# KiCad board MSX OPL4 Wozblaster.kicad_pcb
title: MSX OPL4 Wozblaster Reloaded; date: 2024-10-13; rev: 5.0; company: The Retro Hacker; note: Reloaded by Cristiano Goncalves; note: Original Design by Gustavo Iriarte; note: Wozblaster Reloaded v4
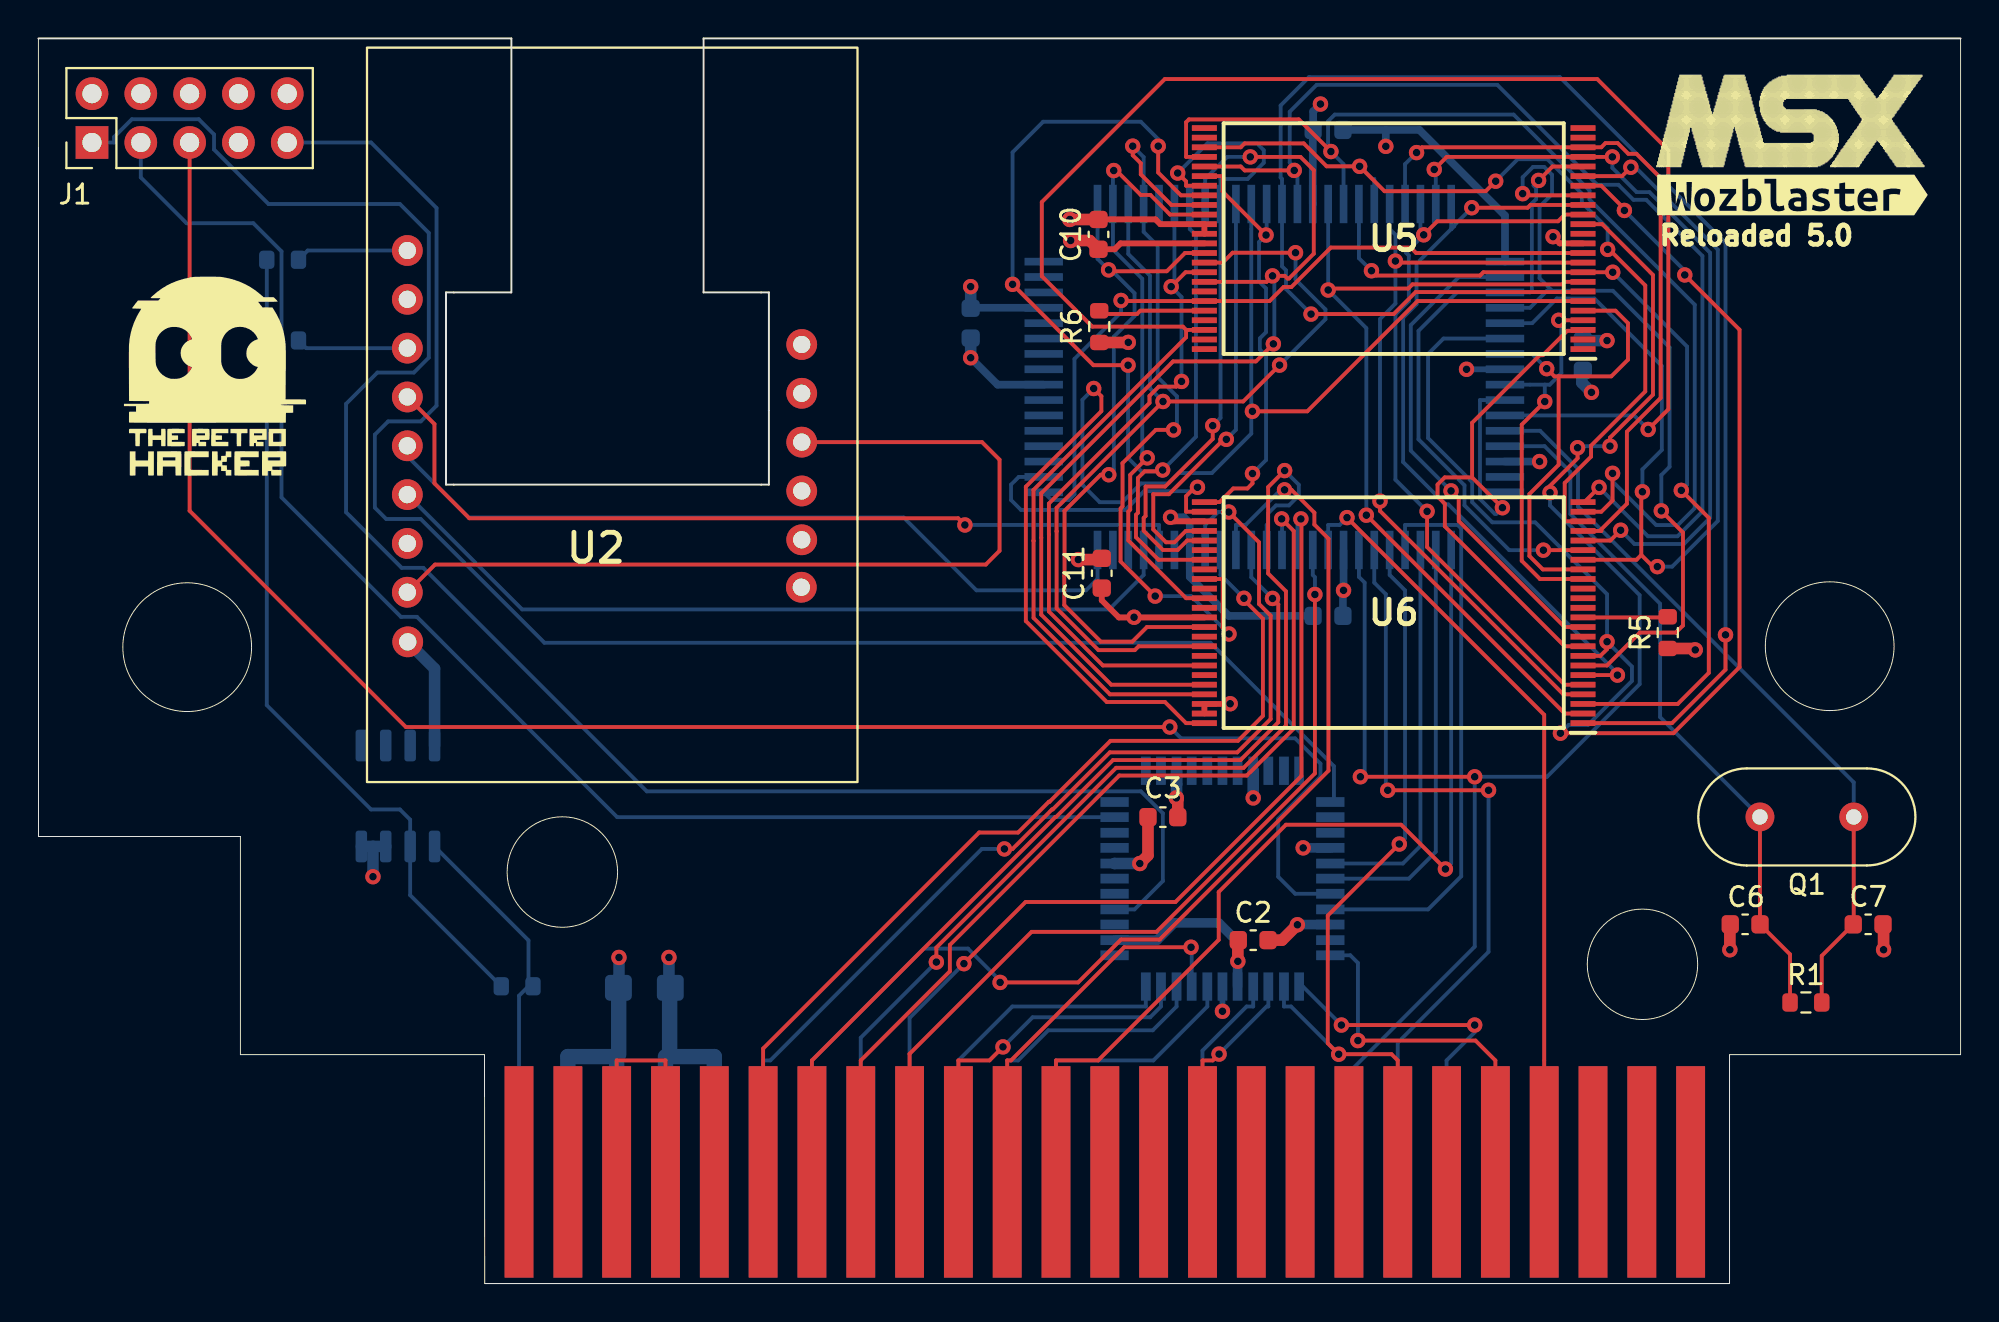
[diagram p0: board, top side]
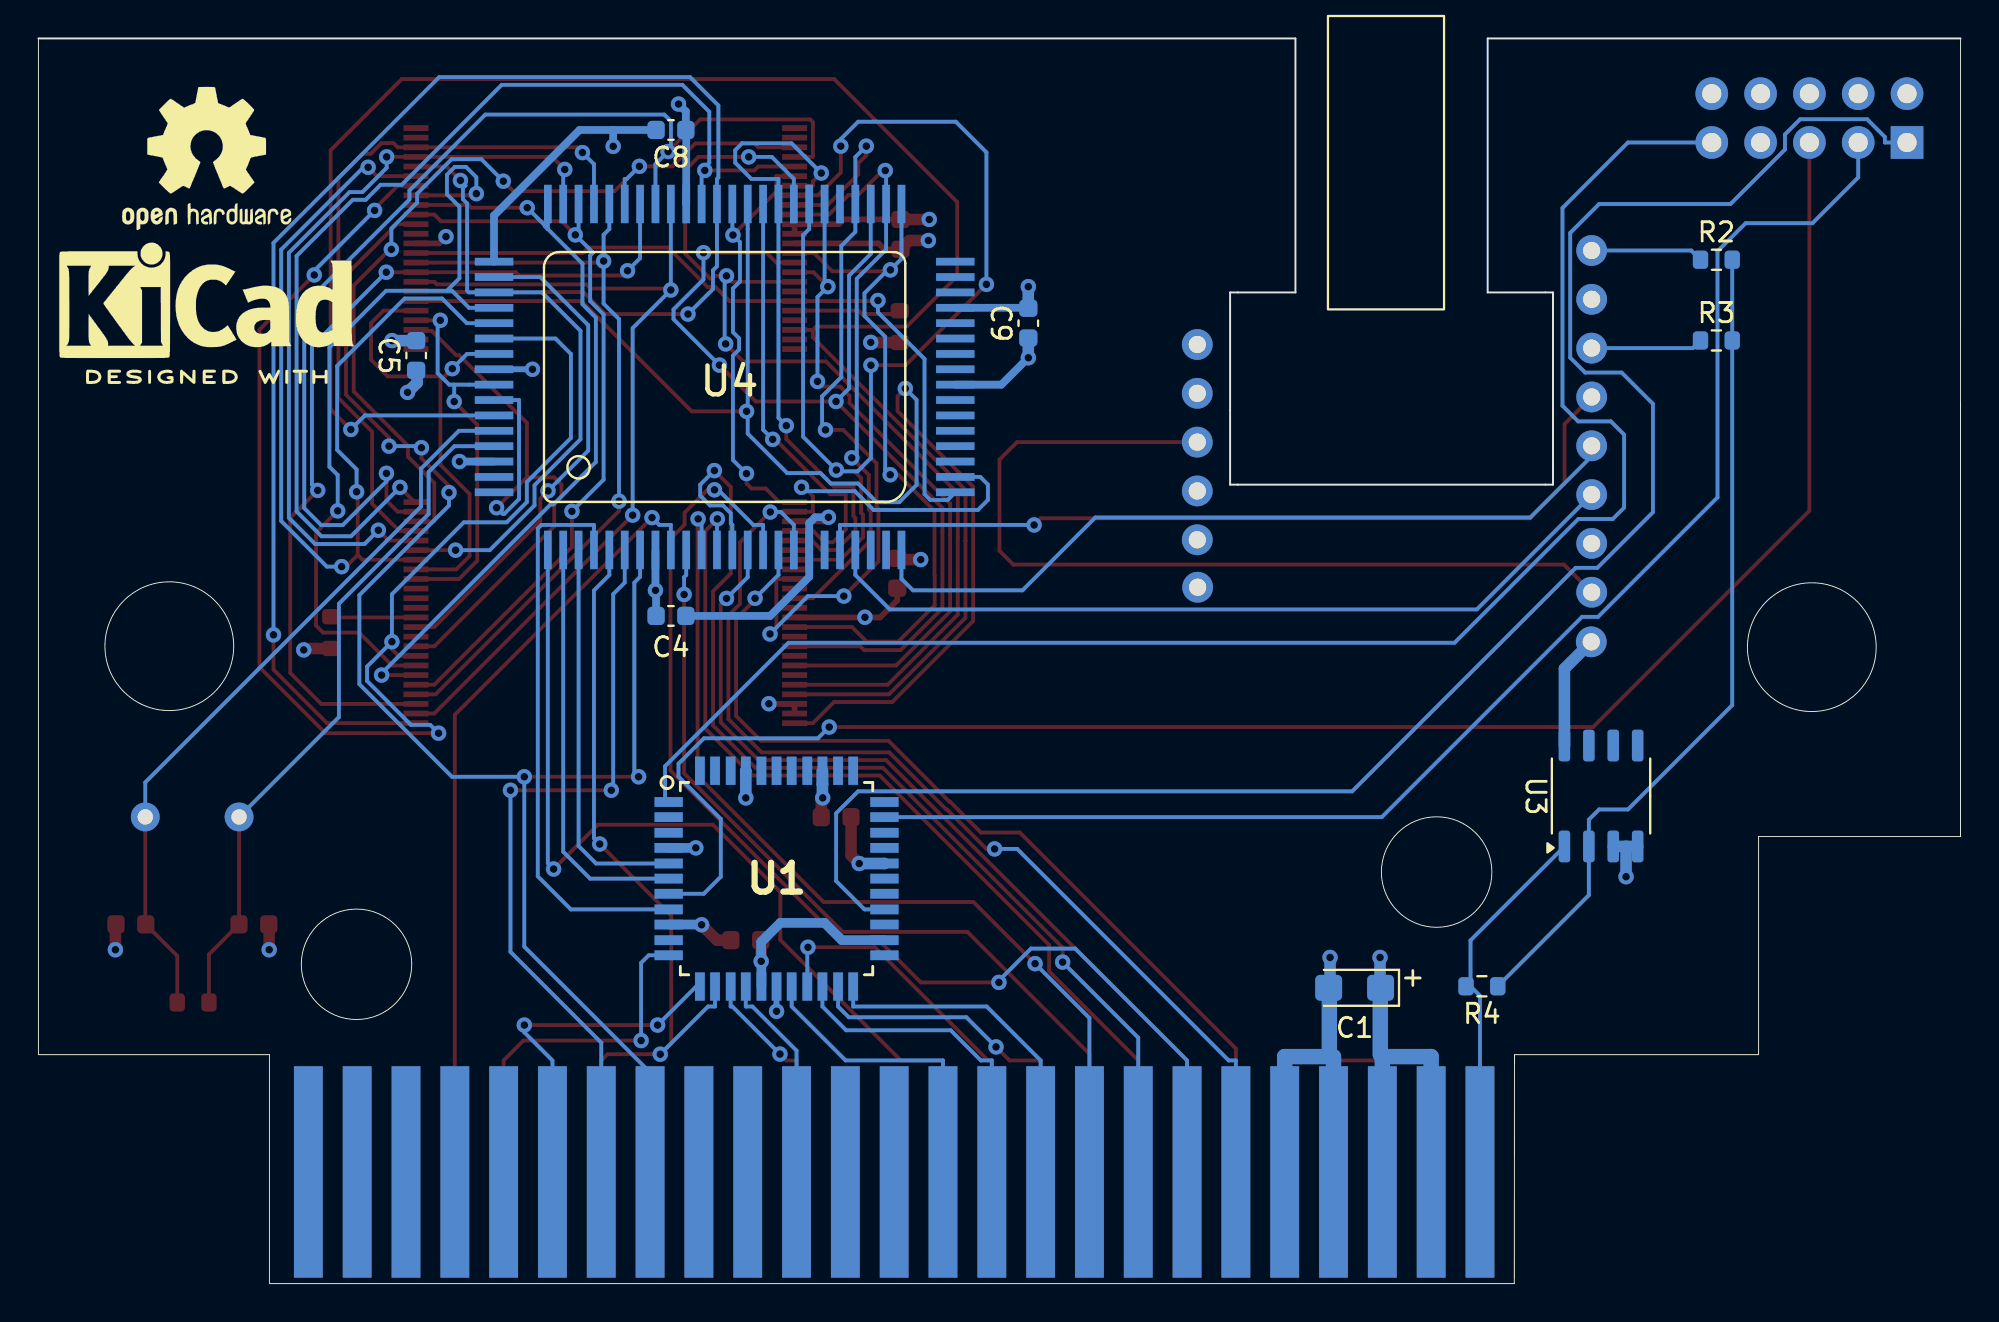
[diagram p1: board, bottom side, seen from below]

Outline 100.01 x 64.78 mm; copper layers: Top, In1.Cu (plane), In2.Cu (plane), Bottom. Coordinates in mm from the lower left corner of the outline.
Outline path: circle c7.74,33.11 r3.35 ; circle c27.26,21.41 r2.87 ; circle c83.46,16.61 r2.87 ; circle c93.2,33.16 r3.35 ; 0,64.78 24.61,64.78 24.61,51.57 21.21,51.57 21.21,41.57 38.01,41.57 38.01,51.57 34.61,51.57 34.61,64.78 100.01,64.78 100.01,11.91 87.99,11.91 87.99,0 23.22,0 23.21,11.91 10.51,11.91 10.51,23.26 0,23.26 0,64.78
Stack: Top 0.035mm / dielectric 0.1mm FR4 er 4.5 / In1.Cu 0.035mm / dielectric 1.24mm FR4 er 4.5 / In2.Cu 0.035mm / dielectric 0.1mm FR4 er 4.5 / Bottom 0.035mm

## Placement (name value [footprint] x y rotation side)
BUS1  MSX_SLOT_EDGE-CON  [msx_cartridge]  55.49 5.68 0 top
C1  10uF/10v  [CP_EIA-3216-18_Kemet-A]  31.53 15.39 0 bottom
C2  0.1uF  [C_0603_1608Metric]  63.21 17.87 0 top
C3  0.1uF  [C_0603_1608Metric]  58.51 24.27 180 top
C4  0.1uF  [C_0603_1608Metric]  67.1 34.74 180 bottom
C5  0.1uF  [C_0603_1608Metric]  80.36 48.28 90 bottom
C6  12pF  [C_0603_1608Metric]  88.8 18.69 180 top
C7  12pF  [C_0603_1608Metric]  95.2 18.69 0 top
C8  0.1uF  [C_0603_1608Metric]  67.1 60.02 0 bottom
C9  0.1uF  [C_0603_1608Metric]  48.51 49.97 90 bottom
C10  0.1uF  [C_0603_1608Metric]  55.16 54.59 90 top
C11  0.1uF  [C_0603_1608Metric]  55.33 36.96 90 top
G***  LOGO  [TRH_NEW]  8.91 46.87 0 top
J1  AVR-JTAG-10  [PinHeader_2x05_P2.54mm_Vertical]  2.79 59.37 90 top
kibuzzard-670C230B  G***  [kibuzzard-670C230B]  91.26 56.64 0 top
LOGO_MSX  -  [LOGO_MSX]  83.13 63.79 0 top
Q1  33.8688  [Crystal_HC49-U_Vertical]  94.45 24.28 180 top
R1  3.3K  [R_0603_1608Metric]  91.96 14.62 0 top
R2  1K  [R_0603_1608Metric]  12.71 53.27 180 bottom
R3  1K  [R_0603_1608Metric]  12.71 49.07 180 bottom
R4  1K  [R_0603_1608Metric]  24.91 15.47 0 bottom
R5  1K  [R_0603_1608Metric]  84.78 33.87 270 top
R6  1K  [R_0603_1608Metric]  55.2 49.79 90 top
REF**  -  [OSHW-Logo2_9.8x8mm_SilkScreen]  91.26 58.54 180 bottom
REF**#2  -  [KiCad-Logo2_6mm_SilkScreen]  91.26 51.18 180 bottom
U1  EPM7064STC44-7  [QFP80P1200X1200X120-44N]  61.61 21.07 180 bottom
U2  -  [UDA1334MOD]  29.91 45.06 90 bottom
U3  LM358  [SOP-8_3.9x4.9mm_P1.27mm]  18.71 25.37 90 bottom
U4  YMF278B-F  [80-QFP]  64.41 47.47 180 bottom
U5  AM29F016B-120EC  [SOP50P2000X120-48N]  70.52 54.37 180 top
U6  CY62167ELL  [SOP50P2000X120-48N]  70.52 34.91 180 top

## Library data of the parts
BUS1 = -: Datasheet: https://www.msx.org/wiki/MSX_Cartridge_slot#Pinout_of_Standard_MSX_Cartridge_slot; MPN: n/a; Manufacturer: n/a
J1 = -: ki_fp_filters: IDC?Header*2x05* Pin?Header*2x05*
R1-R6 = -: ki_fp_filters: R_*
U1 = -: MF: Altera; Description_1: IC CPLD 64MC 7.5NS 44TQFP; PACKAGE: QFP-44; Price: None; Package: TQFP-44 Intel; OC_FARNELL: -; SnapEDA_Link: https://www.snapeda.com/parts/EPM7064STC44-7/Altera/view-part/?ref=snap; SUPPLIER: Altera; OC_NEWARK: 51R9648; Availability: In Stock; Check_prices: https://www.snapeda.com/parts/EPM7064STC44-7/Altera/view-part/?ref=eda
U3 = -: Datasheet: http://www.ti.com/lit/ds/symlink/lm2904-n.pdf; Description: Low-Power, Dual Operational Amplifiers, DIP-8/SOIC-8/TO-99-8; ki_fp_filters: SOIC*3.9x4.9mm*P1.27mm* DIP*W7.62mm* TO*99* OnSemi*Micro8* TSSOP*3x3mm*P0.65mm* TSSOP*4.4x3mm*P0.65mm* MSOP*3x3mm*P0.65mm* SSOP*3.9x4.9mm*P0.635mm* LFCSP*2x2mm*P0.5mm* *SIP* SOIC*5.3x6.2mm*P1.27mm*
U5 = -: Datasheet: http://media.digikey.com/pdf/Data%20Sheets/AMD/AM29F016B.pdf; Description: Flash Memory IC 16 MEGABIT CMOS FLASH EPROM; Height: 1.2; Manufacturer_Name: AMD
U6 = -: Sim.Device: I; Sim.Params: dc=""; Sim.Pins: 1=+ 2=-; Sim.Type: DC

## Footprints (pads in the part's own frame, mm; a bottom-side part is the same pattern mirrored in y, then rotated)
80-QFP
  rect 0.4x2 smd: 1(-9.1,-9.3) 2(-8.3,-9.3) 3(-7.5,-9.3) 4(-6.7,-9.3) 5(-5.9,-9.3) 6(-5.1,-9.3) 7(-4.3,-9.3) 8(-3.5,-9.3) 9(-2.7,-9.3) 10(-1.9,-9.3) 11(-1.1,-9.3) 12(-0.3,-9.3) 13(0.5,-9.3) 14(1.3,-9.3) 15(2.1,-9.3) 16(2.9,-9.3) 17(3.7,-9.3) 18(4.5,-9.3) 19(5.3,-9.3) 20(6.1,-9.3) 21(6.9,-9.3) 22(7.7,-9.3) 23(8.5,-9.3) 24(9.3,-9.3) 41(9.3,8.7) 42(8.5,8.7) 43(7.7,8.7) 44(6.9,8.7) 45(6.1,8.7) 46(5.3,8.7) 47(4.5,8.7) 48(3.7,8.7) 49(2.9,8.7) 50(2.1,8.7) 51(1.3,8.7) 52(0.5,8.7) 53(-0.3,8.7) 54(-1.1,8.7) 55(-1.9,8.7) 56(-2.7,8.7) 57(-3.5,8.7) 58(-4.3,8.7) 59(-5.1,8.7) 60(-5.9,8.7) 61(-6.7,8.7) 62(-7.5,8.7) 63(-8.3,8.7) 64(-9.1,8.7)
  rect 2x0.4 smd: 25(12.1,-6.3) 26(12.1,-5.5) 27(12.1,-4.7) 28(12.1,-3.9) 29(12.1,-3.1) 30(12.1,-2.3) 31(12.1,-1.5) 32(12.1,-0.7) 33(12.1,0.1) 34(12.1,0.9) 35(12.1,1.7) 36(12.1,2.5) 37(12.1,3.3) 38(12.1,4.1) 39(12.1,4.9) 40(12.1,5.7) 65(-11.9,5.7) 66(-11.9,4.9) 67(-11.9,4.1) 68(-11.9,3.3) 69(-11.9,2.5) 70(-11.9,1.7) 71(-11.9,0.9) 72(-11.9,0.1) 73(-11.9,-0.7) 74(-11.9,-1.5) 75(-11.9,-2.3) 76(-11.9,-3.1) 77(-11.9,-3.9) 78(-11.9,-4.7) 79(-11.9,-5.5) 80(-11.9,-6.3)
C_0603_1608Metric
  rrect 0.9x0.95 smd: 1(-0.775,0) 2(0.775,0)
CP_EIA-3216-18_Kemet-A
  rrect 1.4x1.35 smd: 1(-1.35,0) 2(1.35,0)
Crystal_HC49-U_Vertical
  round 1.5 hole 0.8: 1(0,0) 2(4.88,0)
msx_cartridge
  rect 1.5x11 smd far side: 1(30.48,0.127) 3(27.94,0.127) 5(25.4,0.127) 7(22.86,0.127) 9(20.32,0.127) 11(17.78,0.127) 13(15.24,0.127) 15(12.7,0.127) 17(10.16,0.127) 19(7.62,0.127) 21(5.08,0.127) 23(2.54,0.127) 25(0,0.127) 27(-2.54,0.127) 29(-5.08,0.127) 31(-7.62,0.127) 33(-10.16,0.127) 35(-12.7,0.127) 37(-15.24,0.127) 39(-17.78,0.127) 41(-20.32,0.127) 43(-22.86,0.127) 45(-25.4,0.127) 47(-27.94,0.127) 49(-30.48,0.127)
  rect 1.5x11 smd: 2(30.48,0.127) 4(27.94,0.127) 6(25.4,0.127) 8(22.86,0.127) 10(20.32,0.127) 12(17.78,0.127) 14(15.24,0.127) 16(12.7,0.127) 18(10.16,0.127) 20(7.62,0.127) 22(5.08,0.127) 24(2.54,0.127) 26(0,0.127) 28(-2.54,0.127) 30(-5.08,0.127) 32(-7.62,0.127) 34(-10.16,0.127) 36(-12.7,0.127) 38(-15.24,0.127) 40(-17.78,0.127) 42(-20.32,0.127) 44(-22.86,0.127) 46(-25.4,0.127) 48(-27.94,0.127) 50(-30.48,0.127)
PinHeader_2x05_P2.54mm_Vertical
  rect 1.7x1.7 hole 1: 1(0,0)
  oval 1.7x1.7 hole 1: 2(2.54,0) 3(0,-2.54) 4(2.54,-2.54) 5(0,-5.08) 6(2.54,-5.08) 7(0,-7.62) 8(2.54,-7.62) 9(0,-10.16) 10(2.54,-10.16)
QFP80P1200X1200X120-44N
  rect 1.473x0.508 smd: 1(-5.613,3.988) 2(-5.613,3.2) 3(-5.613,2.388) 4(-5.613,1.6) 5(-5.613,0.787) 6(-5.613,0) 7(-5.613,-0.787) 8(-5.613,-1.6) 9(-5.613,-2.388) 10(-5.613,-3.2) 11(-5.613,-3.988) 23(5.613,-3.988) 24(5.613,-3.2) 25(5.613,-2.388) 26(5.613,-1.6) 27(5.613,-0.787) 28(5.613,0) 29(5.613,0.787) 30(5.613,1.6) 31(5.613,2.388) 32(5.613,3.2) 33(5.613,3.988)
  rect 0.508x1.473 smd: 12(-3.988,-5.613) 13(-3.2,-5.613) 14(-2.388,-5.613) 15(-1.6,-5.613) 16(-0.787,-5.613) 17(0,-5.613) 18(0.787,-5.613) 19(1.6,-5.613) 20(2.388,-5.613) 21(3.2,-5.613) 22(3.988,-5.613) 34(3.988,5.613) 35(3.2,5.613) 36(2.388,5.613) 37(1.6,5.613) 38(0.787,5.613) 39(0,5.613) 40(-0.787,5.613) 41(-1.6,5.613) 42(-2.388,5.613) 43(-3.2,5.613) 44(-3.988,5.613)
R_0603_1608Metric
  rrect 0.8x0.95 smd: 1(-0.825,0) 2(0.825,0)
SOP50P2000X120-48N
  rect 1.3x0.3 smd: 1(-9.85,5.75) 2(-9.85,5.25) 3(-9.85,4.75) 4(-9.85,4.25) 5(-9.85,3.75) 6(-9.85,3.25) 7(-9.85,2.75) 8(-9.85,2.25) 9(-9.85,1.75) 10(-9.85,1.25) 11(-9.85,0.75) 12(-9.85,0.25) 13(-9.85,-0.25) 14(-9.85,-0.75) 15(-9.85,-1.25) 16(-9.85,-1.75) 17(-9.85,-2.25) 18(-9.85,-2.75) 19(-9.85,-3.25) 20(-9.85,-3.75) 21(-9.85,-4.25) 22(-9.85,-4.75) 23(-9.85,-5.25) 24(-9.85,-5.75) 25(9.85,-5.75) 26(9.85,-5.25) 27(9.85,-4.75) 28(9.85,-4.25) 29(9.85,-3.75) 30(9.85,-3.25) 31(9.85,-2.75) 32(9.85,-2.25) 33(9.85,-1.75) 34(9.85,-1.25) 35(9.85,-0.75) 36(9.85,-0.25) 37(9.85,0.25) 38(9.85,0.75) 39(9.85,1.25) 40(9.85,1.75) 41(9.85,2.25) 42(9.85,2.75) 43(9.85,3.25) 44(9.85,3.75) 45(9.85,4.25) 46(9.85,4.75) 47(9.85,5.25) 48(9.85,5.75)
SOP-8_3.9x4.9mm_P1.27mm
  rrect 1.65x0.6 smd: 1(-2.625,1.905) 2(-2.625,0.635) 3(-2.625,-0.635) 4(-2.625,-1.905) 5(2.625,-1.905) 6(2.625,-0.635) 7(2.625,0.635) 8(2.625,1.905)
UDA1334MOD
  round 1.6 hole 0.9: 1(-11.67,-10.7) 2(-9.09,-10.72) 3(-6.55,-10.72) 4(-4.01,-10.72) 5(-1.47,-10.72) 6(1.07,-10.72) 7(3.61,-10.72) 8(6.15,-10.72) 9(8.69,-10.72) 10(-8.83,9.78) 11(-6.36,9.8) 12(-3.82,9.8) 13(-1.28,9.8) 14(1.26,9.8) 15(3.8,9.8)

## Nets
+5V: BUS1.45 BUS1.47 C1.1 C2.2 C3.2 C4.1 C5.1 C8.1 C9.1 C10.1 C11.1 J1.4 R5.2 R6.1 U1.9 U1.17 U1.29 U1.41 U2.1 U3.8 U4.8 U4.32 U4.55 U4.72 U5.12 U5.37 U6.37
GND: BUS1.41 BUS1.43 C1.2 C2.1 C3.1 C4.2 C5.2 C6.2 C7.2 C8.2 C9.2 C10.2 C11.2 J1.2 J1.10 U1.4 U1.16 U1.24 U1.36 U2.3 U2.8 U3.3 U3.4 U4.18 U4.37 U4.65 U4.78 U5.35 U5.36 U6.27 U6.46 U6.47
/A0: U4.52 U5.30 U6.25
/A1: U4.54 U5.29 U6.24
/A2: U4.57 U5.28 U6.23
/A3: U4.59 U5.27 U6.22
/A4: U4.61 U5.22 U6.21
/A5: U4.63 U5.21 U6.20
/A6: U4.67 U5.20 U6.19
/A7: U4.69 U5.19 U6.18
/A8: U4.70 U5.18 U6.8
/A9: U4.68 U5.17 U6.7
/A10: U4.64 U5.16 U6.6
/A11: U4.62 U5.15 U6.5
/A12: U4.60 U5.10 U6.4
/A13: U4.58 U5.9 U6.3
/A14: U4.56 U5.8 U6.2
/A15: U4.53 U5.7 U6.1
/A16: U4.51 U5.6 U6.48
/A17: U4.71 U5.5 U6.17
/A18: U4.73 U5.4 U6.16
/A19: U4.74 U5.3 U6.9
/A20: U4.75 U5.46 U6.45
/AA0: BUS1.28 U4.1
/AA1: BUS1.27 U1.18
/AA2: BUS1.30 U1.19
/AA3: BUS1.29 U1.20
/AA4: BUS1.32 U1.21
/AA5: BUS1.31 U1.22
/AA6: BUS1.22 U1.14
/AA7: BUS1.21 U1.15
/BCO: U2.6 U4.20
/D0: BUS1.34 U4.10
/D1: BUS1.33 U4.11
/D2: BUS1.36 U4.12
/D3: BUS1.35 U4.13
/D4: BUS1.38 U4.14
/D5: BUS1.37 U4.15
/D6: BUS1.40 U4.16
/D7: BUS1.39 U4.17
/DO2: U2.5 U4.24
/LRO: U2.4 U4.21
/MD0: U4.49 U5.31 U6.29
/MD1: U4.47 U5.32 U6.31
/MD2: U4.44 U5.33 U6.33
/MD3: U4.42 U5.34 U6.35
/MD4: U4.41 U5.38 U6.38
/MD5: U4.43 U5.39 U6.40
/MD6: U4.46 U5.40 U6.42
/MD7: U4.48 U5.41 U6.44
/SLTSOUND: BUS1.49 R4.2 U3.1
/Y_A1: U1.6 U4.2
/Y_A2: U1.5 U4.3
/Y_CS: U1.8 U4.4
/~{BUSDIR}: BUS1.10 U1.11
/~{CS0}: U4.26 U6.26
/~{INT}: BUS1.8 U4.9
/~{IORQ}: BUS1.11 U1.12
/~{MRD}: U4.50 U6.28
/~{MWR}: U4.66 U6.11
/~{RD}: BUS1.14 U1.13 U4.5
/~{RESET}: BUS1.15 U4.7 U5.14
/~{ROM}: U4.25 U5.11 U5.43
/~{WR}: BUS1.13 U4.6
TCK: J1.1 U1.26
TDI: J1.9 U1.1
TDO: J1.3 U1.32
TMS: J1.5 U1.7
Net-(BUS1-SW1): BUS1.44 BUS1.46
Net-(U2-3VO): U2.2 U2.13
Net-(U2-LOUT): R3.1 U2.7
Net-(U2-ROUT): R2.1 U2.9
Net-(U3A--): R2.2 R3.2 R4.1 U3.2
Net-(U4-XI): C6.1 Q1.2 R1.1 U4.77
Net-(U4-XO): C7.1 Q1.1 R1.2 U4.76
Net-(U5-WE#): R6.2 U5.44
Net-(U6-~{CE2}): R5.1 U6.12

Pads without a net: BUS1 1 2 3 4 5 6 7 9 12 16 17 18 19 20 23 24 25 26 42 48 50; J1 6 7 8; U1 2 3 10 23 25 27 28 30 31 33 34 35 37 38 39 40 42 43 44; U2 10 11 12 14 15; U3 5 6 7; U4 19 22 23 27 28 29 30 31 33 34 35 36 38 39 40 45 79 80; U5 1 2 13 23 24 25 26 42 45 47 48; U6 10 13 14 15 30 32 34 36 39 41 43

## Via types
v1: diameter 0.8, hole 0.4, Top to Bottom, 131 vias

## Routing (per net, layer and track width the routed paths; a pad name or vN(x,y) marks a point on that pad's centre or on a via; arc(x,y) is an arc through that point)
+5V: length 71.8
  Top w0.3: v1(78.81,54.47) 79.16,54.12 U5.12 ; U5.37 56.3,54.12 56,53.81 C10.1 ; U6.37 57.02,34.66 v1(57.01,34.67) 57,34.66 56.22,34.66 55.33,35.55 C11.1
  Top w0.6: v1(65.51,18.67) 64.71,17.87 C2.2 ; v1(56.71,48.97) 56.7,48.96 R6.1 ; v1(86.21,32.97) 86.13,33.04 R5.2 ; C10.1 54.7,54.27 v1(53.71,54.27) ; v1(57.31,21.85) 57.73,22.28 C3.2
  Bottom w0.3: U4.72 v1(74.31,47.57) ; 80.31,47.46 C5.1 ; v1(61.61,14.17) U1.17
  Bottom w0.4: 67.87,36.1 67.91,36.13 67.91,38.1 ; 66.32,56.19 66.31,56.2 66.31,60 C8.1 66.32,60.99 v1(66.71,61.37) ; v1(48.51,48.17) 49.91,46.77 U4.32 ; C4.1 67.87,36.04
  Bottom w0.5: 67.22,18.68 65.52,18.68
  Bottom w0.6: v1(48.51,48.17) C9.1 ; U2.1 20.61,31.99 U3.8 ; 67.87,36.04 v1(67.91,36.07) 67.87,36.1 ; 80.31,47.46 80.31,46.87 v1(80.81,46.37) ; 30.18,15.39 C1.1 30.18,15.39 ; 30.18,15.39 30.21,15.41 v1(30.21,16.97) ; 30.19,11.91 30.09,11.81 ; U1.29 55.99,21.85 v1(57.31,21.85) ; v1(63.21,25.27) U1.41 ; 65.52,18.68 v1(65.51,18.67)
  Bottom w0.8: BUS1.45 30.09,11.81 27.55,11.81 BUS1.47 ; 30.19,15.4 30.19,11.91
GND: length 85.7
  Top w0.3: C10.2 55.16,55.37 58.12,55.37 58.37,55.12 U5.35 U5.36 ; U6.47 U6.46 62,30.16 v1(62.01,30.17) ; v1(58.91,39.87) 59.12,39.66 U6.27
  Top w0.6: v1(59.21,25.27) 59.28,25.19 C3.1 ; C6.2 88.01,18.67 v1(88.01,17.37) ; C11.2 55.26,37.67 v1(54.11,37.67) ; v1(96.01,17.37) 96.01,18.66 C7.2 ; v1(53.66,55.36) C10.2 ; C2.1 62.41,17.84 v1(62.41,16.77)
  Bottom w0.3: 81.61,49.06 v1(81.62,49.06) ; 62.39,16.75 v1(62.41,16.77)
  Bottom w0.4: 70.11,60.02 71.85,60.02 76.31,55.57 U4.65 ; 70.11,60.02 C8.2 ; 70.11,60.02 v1(70.11,59.17) ; 52.26,50.77 48.53,50.77 C9.2 ; U4.78 v1(78.11,42.77) ; C4.2 61.94,34.74 59.91,36.77 U4.18 59.91,39.57 59.61,39.87 v1(58.91,39.87)
  Bottom w0.5: v1(65.81,22.67) U1.4 ; U1.24 58.21,17.87 59.11,18.77 61.41,18.77 62.41,17.77 v1(62.41,16.77) ; U1.16 62.39,16.75
  Bottom w0.6: v1(32.81,16.97) 32.81,15.46 32.86,15.4 ; 17.41,22.74 U3.3 ; 17.41,22.74 U3.4 ; 17.41,22.74 v1(17.41,21.17) ; 32.86,15.4 C1.2 32.86,15.4 ; 59.22,25.98 59.22,25.28 v1(59.21,25.27) ; 59.22,25.98 59.22,26.68 ; 59.22,25.98 U1.36 ; 32.84,11.81 32.63,11.81 ; v1(48.51,51.87) C9.2 ; C5.2 81.61,49.06 ; 62.39,16.75 v1(62.41,16.77)
  Bottom w0.8: BUS1.43 32.63,11.81 ; 32.84,15.42 32.84,11.81 35.17,11.81 BUS1.41
/A0: length 23.3
  Top w0.2: v1(63.17,42.14) 63.17,41.63 62.91,41.37 62.17,41.37 61.46,40.66 U6.25 ; U5.30 61.62,57.62 61.62,56.81 v1(63.87,54.55)
  Bottom w0.2: U4.52 63.91,54.58 v1(63.87,54.55) 63.51,54.19 63.51,52.14 63.87,51.77 63.87,49.5 63.55,49.18 63.55,48.6 63.87,48.28 63.87,42.85 v1(63.17,42.14)
/A1: length 57
  Top w0.2: U6.24 80.43,40.66 v1(81.2,41.42) ; v1(65.34,57.91) 62.76,57.91 62.56,58.12 U5.29
  Bottom w0.2: 65.51,57.91 65.11,58.31 65.11,60.97 66.51,62.37 75.91,62.37 81.11,57.17 82.21,57.17 82.99,56.39 83.66,56.39 86.58,53.46 86.58,40.17 85.28,38.88 83.74,38.88 v1(81.2,41.42) ; 65.51,57.91 U4.54 ; 65.51,57.91 v1(65.34,57.91)
/A2: length 59.1
  Top w0.2: v1(81.9,42.15) 81.9,40.74 81.32,40.16 U6.23 ; v1(67.25,58.9) 65.58,60.57 59.86,60.57 59.71,60.42 59.71,58.62 U5.28
  Bottom w0.2: v1(81.9,42.15) 81.9,41.73 84.17,39.46 85.3,39.46 86.18,40.34 86.18,50.93 80.71,56.4 80.71,56.87 76.76,60.82 67.45,60.82 67.1,60.47 67.1,59.05 v1(67.25,58.9) 67.91,58.24 U4.57
/A3: length 45.7
  Top w0.2: v1(75.82,57.35) 75.3,56.83 70.04,56.83 v1(68.74,58.13) 67.03,58.13 65.83,59.32 62.76,59.32 62.56,59.12 U5.27 ; U6.22 79.41,39.66 79.41,41.65 80.78,43.02 80.78,43.59 83.61,46.41 83.61,51.93 81.73,53.81 v1(81.65,53.81)
  Bottom w0.2: v1(68.74,58.13) 69.4,57.47 69.51,57.47 U4.59 ; v1(81.65,53.81) 81.65,54.89 80.31,56.23 80.31,56.7 78.51,58.5 76.97,58.5 v1(75.82,57.35)
/A4: length 37.2
  Top w0.2: v1(71.71,58.84) 71.98,59.12 U5.22 81.32,59.12 81.54,59.33 82.17,59.33 82.72,58.78 83.15,58.78 84.41,57.52 84.41,46.08 82.65,44.32 82.65,40.57 81.32,39.24 81.32,39.16 U6.21
  Bottom w0.2: U4.61 71.11,58.24 v1(71.71,58.84)
/A5: length 40.3
  Top w0.2: v1(72.62,57.96) 73.28,58.62 U5.21 v1(81.89,58.62) ; U6.20 81.79,38.66 v1(82.32,39.19)
  Bottom w0.2: v1(82.32,39.19) 83.04,38.48 85.62,38.48 86.98,39.84 86.98,53.63 83.82,56.79 83.15,56.79 81.89,58.05 v1(81.89,58.62) ; U4.63 72.71,57.88 72.62,57.96 v1(72.62,57.96)
/A6: length 32.6
  Top w0.2: U6.19 v1(78.3,38.16) ; U5.20 78.78,58.12 v1(78.05,57.39)
  Bottom w0.2: v1(78.3,38.16) 76.53,38.16 74.2,40.49 74.2,41.53 71.81,43.92 71.81,49.57 73.81,51.57 U4.67 77.61,51.57 77.71,51.66 77.71,56.2 77.93,56.41 77.93,56.99 77.79,57.13 v1(78.05,57.39)
/A7: length 51.9
  Top w0.2: v1(83.46,41.19) 83.4,41.14 83.4,37.91 ; v1(84.23,37.3) 84.01,37.3 83.4,37.91 ; U6.18 83.15,37.66 83.4,37.91 ; U5.19 82.39,57.62 v1(82.86,58.08)
  Bottom w0.2: v1(82.86,58.08) 83.09,58.08 87.38,53.79 87.38,39.67 85,37.3 v1(84.23,37.3) ; v1(83.46,41.19) 83.46,42.36 84.47,43.37 84.47,47.74 80.96,51.25 79.01,51.25 77.72,49.97 U4.69
/A8: length 73.4
  Top w0.2: v1(82.52,55.83) 82.52,55.91 81.32,57.12 U5.18 ; v1(81.62,33.39) 81.62,33.01 81.27,32.66 U6.8 ; v1(79.19,28.63) 85.07,28.63 88.51,32.07 88.51,49.63 v1(85.66,52.48)
  Bottom w0.2: v1(82.52,55.83) 85.66,52.69 v1(85.66,52.48) ; v1(79.19,28.63) 79.62,29.07 80.63,29.07 82.91,31.35 82.91,32.1 v1(81.62,33.39) 81.62,35.86 77.88,39.6 75.65,39.6 74.6,40.65 74.6,41.7 72.31,43.99 72.31,48.37 73.11,49.17 U4.70
/A9: length 43.8
  Top w0.2: v1(84.44,40.2) 85.57,39.08 85.57,34.24 85.2,33.87 83.32,33.87 81.61,32.16 U6.7 ; v1(77.23,56.7) 77.31,56.62 U5.17
  Bottom w0.2: U4.68 77.61,50.77 78.49,51.65 78.76,51.65 ; v1(84.44,40.2) 84.44,42.07 84.87,42.49 84.87,48.7 81.92,51.65 78.76,51.65 ; 78.76,51.65 78.11,52.3 78.11,56.03 78.75,56.68 78.75,57.69 78.34,58.1 77.76,58.1 77.23,57.56 v1(77.23,56.7)
/A10: length 39.5
  Top w0.2: v1(82.16,31.66) U6.6 ; U5.16 77.63,56.12 77.49,55.97 v1(74.58,55.97)
  Bottom w0.2: v1(74.58,55.97) 73.67,55.06 73.67,55.01 73.52,54.86 73.51,54.86 ; v1(82.16,31.66) 82.16,31.74 73.36,40.54 73.21,40.54 71.01,42.74 71.01,50.25 71.7,50.95 71.7,53.06 73.51,54.86 ; 73.51,54.86 U4.64
/A11: length 39.1
  Top w0.2: v1(72.08,54.56) 72.78,55.27 79.06,55.27 79.41,55.62 U5.15 ; U6.5 79.41,31.16 72.25,38.32 v1(72.25,40.18)
  Bottom w0.2: v1(72.25,40.18) 70.61,41.82 70.61,50.42 71.3,51.12 71.3,53.49 71.15,53.64 v1(72.08,54.56) 71.91,54.73 U4.62
/A12: length 40.7
  Top w0.2: v1(70.6,53.2) 70.68,53.12 U5.10 ; U6.4 79.34,30.66 69.8,40.2 v1(69.8,40.71)
  Bottom w0.2: U4.60 70.31,54.86 70.6,54.57 v1(70.6,53.2) 70.61,53.2 70.61,50.98 69.8,50.18 v1(69.8,40.71)
/A13: length 46.8
  Top w0.2: v1(85.48,41.27) 86.91,39.84 86.91,31.77 85.3,30.16 U6.3 ; v1(69.36,52.69) 69.61,52.45 75.01,52.45 75.18,52.62 U5.9 v1(81.91,52.62)
  Bottom w0.2: v1(81.91,52.62) 85.78,48.75 85.78,41.57 v1(85.48,41.27) ; v1(69.36,52.69) 68.71,53.35 U4.58
/A14: length 46
  Top w0.2: U6.2 79.41,29.66 v1(69.09,39.98) ; U5.8 79.41,52.12 79.28,51.99 71.49,51.99 71.27,51.77 67.18,51.77 v1(67.11,51.69)
  Bottom w0.2: U4.56 v1(67.11,51.69) 69.09,49.71 v1(69.09,39.98)
/A15: length 84.2
  Top w0.2: U5.7 80.33,51.59 71.66,51.59 70.51,50.44 v1(66.21,50.44) ; v1(87.78,33.75) 87.78,31.94 85,29.16 U6.1
  Bottom w0.2: v1(66.21,50.44) 64.91,51.74 64.91,52.72 64.71,52.92 U4.53 64.71,57.47 64.63,57.54 64.63,61.29 66.11,62.77 79.16,62.77 87.78,54.15 v1(87.78,33.75)
/A16: length 72.9
  Top w0.2: v1(63.16,45.38) 66.02,45.38 71.76,51.12 U5.6 ; v1(54.91,46.57) 55.31,46.17 55.31,45.39 51.37,41.46 51.37,34.47 55.59,30.26 58.61,30.26 59.71,29.16 U6.48
  Bottom w0.2: v1(54.91,46.57) 54.32,45.98 54.32,41.55 55.22,40.65 56.39,40.65 57.36,41.63 58.78,41.63 59.32,42.17 61.05,42.17 63.11,44.22 63.11,45.38 ; v1(63.16,45.38) 63.11,45.38 ; 63.11,45.38 U4.51
/A17: length 24.8
  Top w0.2: U5.5 82.06,50.62 82.71,49.97 82.71,48.07 81.84,47.2 79.1,47.2 ; U6.17 78.27,37.16 77.58,37.85 77.58,41.08 79.1,42.6 79.1,47.2 ; v1(78.48,47.6) 78.88,47.2 79.1,47.2
  Bottom w0.2: v1(78.48,47.6) 77.71,48.37 U4.71
/A18: length 20.5
  Top w0.2: v1(78.38,45.89) 77.18,44.69 77.18,37.61 78.13,36.66 U6.16 ; U5.4 v1(79.1,50.12)
  Bottom w0.2: U4.73 78.38,46.77 ; 78.38,46.77 v1(78.38,45.89) ; 78.38,46.77 78.64,46.77 79.24,47.37 79.24,49.98 v1(79.1,50.12)
/A19: length 35
  Top w0.2: U5.3 80.32,49.57 79.54,49.57 78.28,48.3 78.11,48.3 74.6,44.78 74.6,41.94 ; 74.6,41.94 v1(76.17,40.36) ; 74.6,41.94 73.17,41.94 72.8,41.57 72.8,40.95 73.18,40.57 73.18,39.39 79.41,33.16 U6.9
  Bottom w0.2: U4.74 75,45.97 75,40.82 75.77,40.05 75.86,40.05 v1(76.17,40.36)
/A20: length 101.8
  Top w0.2: v1(83.76,44.44) 84.81,45.49 84.81,58.97 81.11,62.67 58.61,62.67 52.21,56.27 52.21,52.41 54.83,49.79 59.54,49.79 59.71,49.62 ; 59.71,49.62 U5.46 ; 59.71,49.62 59.71,49.23 51.77,41.29 51.77,38.64 51.78,38.64 51.78,34.63 55.75,30.66 U6.45
  Bottom w0.2: U4.75 83.02,45.17 v1(83.76,44.44)
/AA0: length 50.3
  Top w0.2: v1(73.21,21.57) 70.9,23.87 64.91,23.87 61.41,20.37 61.41,17.88 55.14,11.61 52.95,11.61 BUS1.28
  Bottom w0.2: U4.1 73.51,21.87 v1(73.21,21.57)
/AA1: length 15.9
  Bottom w0.2: U1.18 60.82,14.41 58.01,11.61 52.95,11.61 BUS1.27
/AA2: length 19.9
  Top w0.2: BUS1.30 50.41,11.61 50.6,11.61 56.49,17.5 v1(59.97,17.5)
  Bottom w0.2: v1(59.97,17.5) 60.01,17.46 U1.19
/AA3: length 16.8
  Bottom w0.2: BUS1.29 50.41,11.61 50.97,11.61 52.54,13.18 57.98,13.18 59.22,14.41 U1.20
/AA4: length 18.5
  Top w0.2: v1(50.19,12.31) 49.48,11.61 47.87,11.61 BUS1.32
  Bottom w0.2: v1(50.19,12.31) 51.73,13.85 57.84,13.85 58.41,14.41 U1.21
/AA5: length 17.8
  Bottom w0.2: U1.22 57.62,14.41 50.67,14.41 47.87,11.61 BUS1.31
/AA6: length 11.4
  Top w0.2: BUS1.22 60.57,11.61 61.1,11.61 v1(61.43,11.94)
  Bottom w0.2: v1(61.43,11.94) 63.9,14.41 63.99,14.41 U1.14
/AA7: length 10.9
  Bottom w0.2: BUS1.21 60.57,12.12 62.86,14.41 63.21,14.41 U1.15
/BCO: length 45
  Top w0.2: U2.6 20.61,44.72 20.61,41.63 22.42,39.82 47.86,39.82 v1(48.21,39.47)
  Bottom w0.2: U4.20 58.31,39.47 48.21,39.47 v1(48.21,39.47)
/D0: length 44.9
  Top w0.2: BUS1.34 45.33,11.95 51.67,18.3 58.17,18.3 66.42,26.54 v1(66.42,35.85)
  Bottom w0.2: U4.10 66.31,36.86 66.42,36.75 v1(66.42,35.85)
/D1: length 48.7
  Top w0.2: v1(65.69,39.78) 65.71,39.75 65.71,26.41 59.16,19.85 51.36,19.85 v1(48.15,16.64)
  Bottom w0.2: U4.11 65.51,39.6 v1(65.69,39.78) ; BUS1.33 45.33,13.82 v1(48.15,16.64)
/D2: length 49.1
  Top w0.2: BUS1.36 42.79,11.61 47.42,16.24 47.42,17.62 56.24,26.43 62.87,26.43 65.31,28.87 65.31,39.16 v1(64.69,39.78)
  Bottom w0.2: U4.12 64.71,39.76 v1(64.69,39.78)
/D3: length 55.8
  Top w0.2: v1(64.84,42.3) 63.98,41.44 63.98,36.94 64.91,36.02 64.91,29.04 62.71,26.83 56.07,26.83 46.72,17.48 v1(46.72,16.73)
  Bottom w0.2: BUS1.35 42.79,12.79 v1(46.72,16.73) ; v1(64.84,42.3) 65.58,41.56 65.58,41 65.07,40.48 64.39,40.48 63.98,40.07 63.98,39.55 63.91,39.47 U4.13
/D4: length 46.9
  Top w0.2: v1(64.21,35.64) 64.51,35.34 64.51,29.2 62.54,27.23 55.91,27.23 52.94,24.27 52.91,24.27 40.25,11.61 BUS1.38
  Bottom w0.2: U4.14 63.11,36.75 v1(64.21,35.64)
/D5: length 60.8
  Top w0.2: v1(64.84,41.3) 65.2,41.3 66.39,40.11 66.39,39.49 67.12,38.75 67.12,26.68 58.34,17.9 56.33,17.9 54.1,15.67 v1(50.04,15.67)
  Bottom w0.2: BUS1.37 40.25,11.61 46.06,17.43 48.37,17.43 50.04,15.76 v1(50.04,15.67) ; U4.15 62.31,39.47 62.81,39.47 64.64,41.3 v1(64.84,41.3)
/D6: length 49.1
  Top w0.2: v1(62.72,35.65) 62.72,35.57 63.71,34.59 63.71,29.53 62.41,28.24 55.78,28.24 52.61,25.07 52.57,25.07 50.97,23.47 48.95,23.47 37.71,12.23 BUS1.40
  Bottom w0.2: U4.16 61.51,36.86 61.51,36.86 v1(62.72,35.65)
/D7: length 54
  Top w0.2: v1(50.26,22.61) 50.68,22.61 52.74,24.67 52.78,24.67 55.74,27.64 62.38,27.64 64.11,29.37 64.11,34.75 63.51,35.35 63.51,38.57 v1(61.93,40.14)
  Bottom w0.2: v1(61.93,40.14) 61.38,40.14 60.71,39.47 U4.17 ; BUS1.39 37.71,11.61 38.08,11.61 49.08,22.61 v1(50.26,22.61)
/DO2: length 41.1
  Bottom w0.2: U4.24 55.11,36.67 54.51,36.07 48.81,36.07 45.02,39.86 22.38,39.86 19.19,43.04 U2.5
/LRO: length 42.8
  Bottom w0.2: U4.21 57.51,36.86 55.71,35.07 25.17,35.07 U2.4
/MD0: length 34.6
  Top w0.2: U5.31 59.71,57.12 59.71,57.34 v1(59.28,57.78) ; v1(61.1,44.63) 61.1,43.94 58.62,41.47 57.61,41.47 57.61,39.93 57.51,39.83 57.51,39.17 58.51,38.17 59.28,38.17 59.77,38.66 U6.29
  Bottom w0.2: v1(61.1,44.63) 61.51,45.04 U4.49 61.51,57.47 62.91,57.47 63.76,58.31 63.76,58.97 63.4,59.32 60.83,59.32 v1(59.28,57.78)
/MD1: length 58.1
  Top w0.2: v1(56.69,47.78) 54.89,47.78 v1(50.69,51.99) ; v1(58.49,42.33) 58.43,42.26 57.56,42.26 57.21,41.91 57.21,40.1 57.11,40 57.11,38.83 58.28,37.66 U6.31 ; v1(58.26,59.18) 58.26,57.8 59.45,56.62 U5.32
  Bottom w0.2: U4.47 59.91,54.86 60.23,54.54 60.23,44.06 v1(58.49,42.33) 58.42,42.26 57.39,42.26 56.69,42.95 v1(56.69,47.78) ; v1(50.69,51.99) 50.69,58.86 52.28,60.45 57.36,60.45 58.26,59.54 v1(58.26,59.18)
/MD2: length 41.1
  Top w0.2: v1(61.95,33.8) 61.62,34.13 61.62,36.66 U6.33 ; U5.33 58.94,56.12 57.36,57.71 57.36,58.29 56.94,58.7 v1(56.94,59.18) ; v1(59.06,44.41) 58.14,44.41 56.41,42.68 56.41,40.43 56.31,40.33 56.31,37.57 v1(58.11,35.77)
  Bottom w0.2: v1(56.94,59.18) 57.51,58.61 U4.44 57.51,54.72 58.24,53.99 58.24,47.16 59.24,46.16 59.24,44.59 v1(59.06,44.41) ; v1(61.95,33.8) 59.98,35.77 v1(58.11,35.77)
/MD3: length 31.3
  Top w0.2: v1(55.95,57.91) 56.09,57.91 57.36,56.64 57.86,56.64 58.88,55.62 U5.34 ; U6.35 59.71,35.66 56.71,38.66 56.71,40.17 56.81,40.27 56.81,42.07 v1(57.69,42.96)
  Bottom w0.2: v1(55.95,57.91) 55.91,57.86 U4.42 55.91,53.8 57.43,52.27 57.43,43.22 v1(57.69,42.96)
/MD4: length 37.3
  Top w0.2: v1(55.68,52.74) 55.75,52.67 58.71,52.67 59.66,53.62 U5.38 ; U6.38 57.68,34.16 56.92,33.4 55.27,33.4 53.38,35.3 53.38,36.83 53.39,36.84 53.39,40.2 55.27,42.08 v1(55.69,42.08)
  Bottom w0.2: v1(55.69,42.08) 55.95,42.34 55.95,49.26 57.03,50.34 57.03,51.52 55.82,52.74 v1(55.68,52.74) 55.11,53.31 U4.41
/MD5: length 52
  Top w0.2: v1(65.41,53.63) 62.13,53.63 61.62,53.12 U5.39 ; U6.40 57.24,33.16 57.04,32.96 55.15,32.96 52.98,35.13 52.98,39.14 52.97,39.14 52.97,40.35 v1(58.51,45.89) 62.68,45.89 v1(64.58,47.78)
  Bottom w0.2: v1(64.58,47.78) 66.97,50.17 66.97,50.68 65.41,52.24 v1(65.41,53.63) ; U4.43 56.71,53.57 57.83,52.44 57.83,46.57 v1(58.51,45.89)
/MD6: length 36.2
  Top w0.2: v1(59.48,46.94) 59.2,46.66 58.29,46.66 57.81,46.18 57.81,45.82 52.57,40.58 52.57,38.97 52.58,38.97 52.58,34.96 55.38,32.16 U6.42 ; v1(58.94,51.87) 59.69,52.62 U5.40
  Bottom w0.2: U4.46 59.11,52.04 v1(58.94,51.87) 59.48,51.33 v1(59.48,46.94)
/MD7: length 53.7
  Top w0.2: U5.41 63.9,52.12 v1(64.21,52.43) 64.85,52.43 64.98,52.29 65.07,52.29 66.36,53.58 66.36,57.93 65.67,58.62 v1(63.05,58.62) ; v1(64.25,48.89) 63.34,47.98 59.04,47.98 52.17,41.12 52.17,38.81 52.18,38.81 52.18,34.8 55.82,31.16 U6.44
  Bottom w0.2: U4.48 60.71,57.47 61.85,58.62 v1(63.05,58.62) ; v1(64.25,48.89) 64.31,48.94 64.31,52.33 v1(64.21,52.43)
/SLTSOUND: length 19.4
  Bottom w0.2: 25.5,15.47 R4.2 ; 25.5,15.47 25.01,14.97 BUS1.49 ; 25.5,15.47 25.5,17.85 U3.1
/Y_A1: length 21.8
  Bottom w0.2: U4.2 72.71,22.47 71.31,21.07 U1.6
/Y_A2: length 20.5
  Bottom w0.2: U1.5 70.99,21.85 71.91,22.77 U4.3
/Y_CS: length 29.9
  Bottom w0.2: U1.8 72.31,19.47 74.03,21.19 74.03,39.28 73.84,39.47 71.11,39.47 U4.4
/~{BUSDIR}: length 19
  Top w0.2: v1(68.65,12.64) 74.77,12.64 75.81,11.61 BUS1.10
  Bottom w0.2: U1.11 68.26,17.08 68.65,16.68 v1(68.65,12.64)
/~{CS0}: length 15.6
  Top w0.2: U6.26 59.71,40.16 59.71,40.97 60.17,41.43 v1(60.31,41.43)
  Bottom w0.2: v1(60.31,41.43) 60.1,41.23 57.53,41.23 56.56,40.25 51.12,40.25 50.61,40.77 50.61,41.57 51.01,41.97 U4.26
/~{INT}: length 40.7
  Top w0.2: v1(68.09,39.85) 78.35,29.59 BUS1.8
  Bottom w0.2: U4.9 67.11,39.47 67.7,39.47 v1(68.09,39.85)
/~{IORQ}: length 18.2
  Top w0.2: v1(67.79,13.45) v1(74.73,13.45)
  Bottom w0.2: v1(67.79,13.45) 65.79,15.45 U1.12 ; BUS1.11 73.27,11.61 74.73,13.07 v1(74.73,13.45)
/~{MRD}: length 22.6
  Top w0.2: U6.28 59.7,39.16 59.11,38.57 58.67,38.57 58.01,39.23 58.01,41.07 58.82,41.07 61.5,43.75 61.5,43.92 v1(61.81,43.92)
  Bottom w0.2: v1(61.81,43.92) 62.31,44.42 U4.50
/~{MWR}: length 25.9
  Top w0.2: U6.11 79.41,34.16 73.9,39.67 73.9,40.84 v1(73.5,41.24)
  Bottom w0.2: v1(73.5,41.24) 71.41,43.33 71.41,49.87 73.91,52.37 U4.66
/~{RD}: length 42.4
  Top w0.2: BUS1.14 70.73,11.61 70.4,11.93 v1(67.66,11.93) 67.08,12.5 67.08,19.15 v1(70.81,22.87)
  Bottom w0.2: U4.5 70.31,36.86 71.11,36.06 71.11,23.17 v1(70.81,22.87) ; U1.13 64.81,14.41 65.17,14.41 v1(67.66,11.93)
/~{RESET}: length 82.9
  Top w0.2: v1(68.78,26.37) v1(74.73,26.37) ; v1(81.77,43.57) 81.77,44.01 82.84,45.09 84.01,46.25 84.01,52.47 81.36,55.12 U5.14 ; v1(80.08,43.49) 80.08,42.94 78.65,41.5 v1(78.65,41.15)
  Bottom w0.2: v1(80.08,43.49) 80.17,43.57 v1(81.77,43.57) ; v1(78.65,41.15) 78.65,40.48 83.31,35.82 83.31,31.18 78.49,26.37 v1(74.73,26.37) 74.73,17.53 68.19,10.98 BUS1.15 ; v1(68.78,26.37) 69.01,26.59 69.01,36.47 68.71,36.77 U4.7
/~{ROM}: length 38.3
  Top w0.2: v1(56.33,51.15) 56.36,51.12 U5.43 64.06,51.12 64.79,51.85 65.19,51.85 67.24,53.9 71.4,53.9 71.68,53.62 U5.11
  Bottom w0.2: v1(56.33,51.15) 56.33,50.53 53.91,48.11 53.91,41.07 53.61,40.77 52.71,40.77 U4.25
/~{WR}: length 39.9
  Top w0.2: v1(70.21,25.66) v1(75.45,25.66)
  Bottom w0.2: v1(75.45,25.66) 75.45,17.26 70.73,12.53 BUS1.13 ; v1(70.21,25.66) 70.11,25.76 70.11,35.87 69.51,36.47 U4.6
TCK: length 94.2
  Bottom w0.2: U1.26 57.03,19.47 58.51,20.94 58.51,24.47 57.36,25.61 31.65,25.61 20.03,37.24 18.9,37.24 16.01,40.13 16.01,45.77 17.64,47.4 19.53,47.4 20.31,48.17 20.31,54.66 18.81,56.17 11.97,56.17 9.14,59 9.14,59.78 8.34,60.58 4.86,60.58 3.94,59.65 3.94,59.37 J1.1
TDI: length 84.5
  Bottom w0.2: U1.1 67.41,25.24 67.41,26.92 60.98,33.34 26.33,33.34 19.89,39.78 18.1,39.78 17.51,40.37 17.51,44.17 18.2,44.86 19.9,44.86 20.71,45.67 20.71,55.96 17.31,59.37 J1.9
TDO: length 73.8
  Bottom w0.2: U1.32 30.11,24.27 19.69,34.69 18.86,34.69 12.65,40.9 12.65,53.7 11.18,55.17 7.71,55.17 5.33,57.55 J1.3
TMS: length 93.3
  Top w0.2: v1(58.86,28.95) 19.12,28.95 7.87,40.21 J1.5
  Bottom w0.2: U1.7 65.39,20.28 64.51,21.17 64.51,24.17 66.71,26.37 66.71,27.05 65.39,28.37 59.45,28.37 v1(58.86,28.95)
Net-(BUS1-SW1): length 14.1
  Top w0.2: BUS1.44 32.63,11.61 30.09,11.61 BUS1.46
Net-(U2-3VO): length 47.1
  Top w0.2: U2.2 20.63,37.41 49.29,37.41 50.01,38.12 50.01,42.87 49.1,43.78 U2.13
Net-(U2-LOUT): length 5.8
  Bottom w0.2: U2.7 13.93,48.67 R3.1
Net-(U2-ROUT): length 5.9
  Bottom w0.2: U2.9 14.01,53.75 R2.1
Net-(U3A--): length 43.7
  Bottom w0.2: 11.88,53.27 11.88,30.09 17.31,24.67 18.81,24.67 19.34,24.13 U3.2 19.34,20.21 R4.1
Net-(U4-XI): length 36.3
  Top w0.2: Q1.2 89.57,18.69 C6.1 91.14,17.13 R1.1
  Bottom w0.2: U4.77 78.37,43.57 79.71,42.23 79.71,40.04 84.38,35.37 84.38,29.47 Q1.2
Net-(U4-XO): length 39
  Top w0.2: R1.2 92.79,17.05 C7.1 94.45,18.71 Q1.1
  Bottom w0.2: Q1.1 94.45,26.07 80.11,40.42 80.11,42.39 78.13,44.37 U4.76
Net-(U5-WE#): length 5.6
  Top w0.2: R6.2 55.36,50.44 57.16,50.44 57.33,50.62 U5.44
Net-(U6-~{CE2}): length 4.4
  Top w0.2: U6.12 84.74,34.66 R5.1

## Copper pours and planes (outline as drawn; the poured copper is in the pictures)
+5V on In2.Cu: 0.11,64.67 99.91,64.57 99.91,11.97 10.71,12.27 10.61,23.67 0.21,23.67
GND on In1.Cu: 0.49,64.68 100.29,64.58 100.29,11.98 11.09,12.28 10.99,23.68 0.59,23.68

## Text on the board
B.Silkscreen: +
F.Silkscreen: Reloaded ${REVISION}
